# Altium PCB PCB_SDR.PcbDoc (part 4 of 6)
Units mil, origin at the board's own origin, x right, y up, seen from the top; angles counter-clockwise.
Board outline 4925.6 x 3220.01 mil, 8 copper layers (Top Layer, GND1, Signal 1, Power1, Power2, Signal 2, GND2, Bottom Layer), stack 62.84 mil thick; 406 components, 373 nets, 1642 pads, 1474 vias.
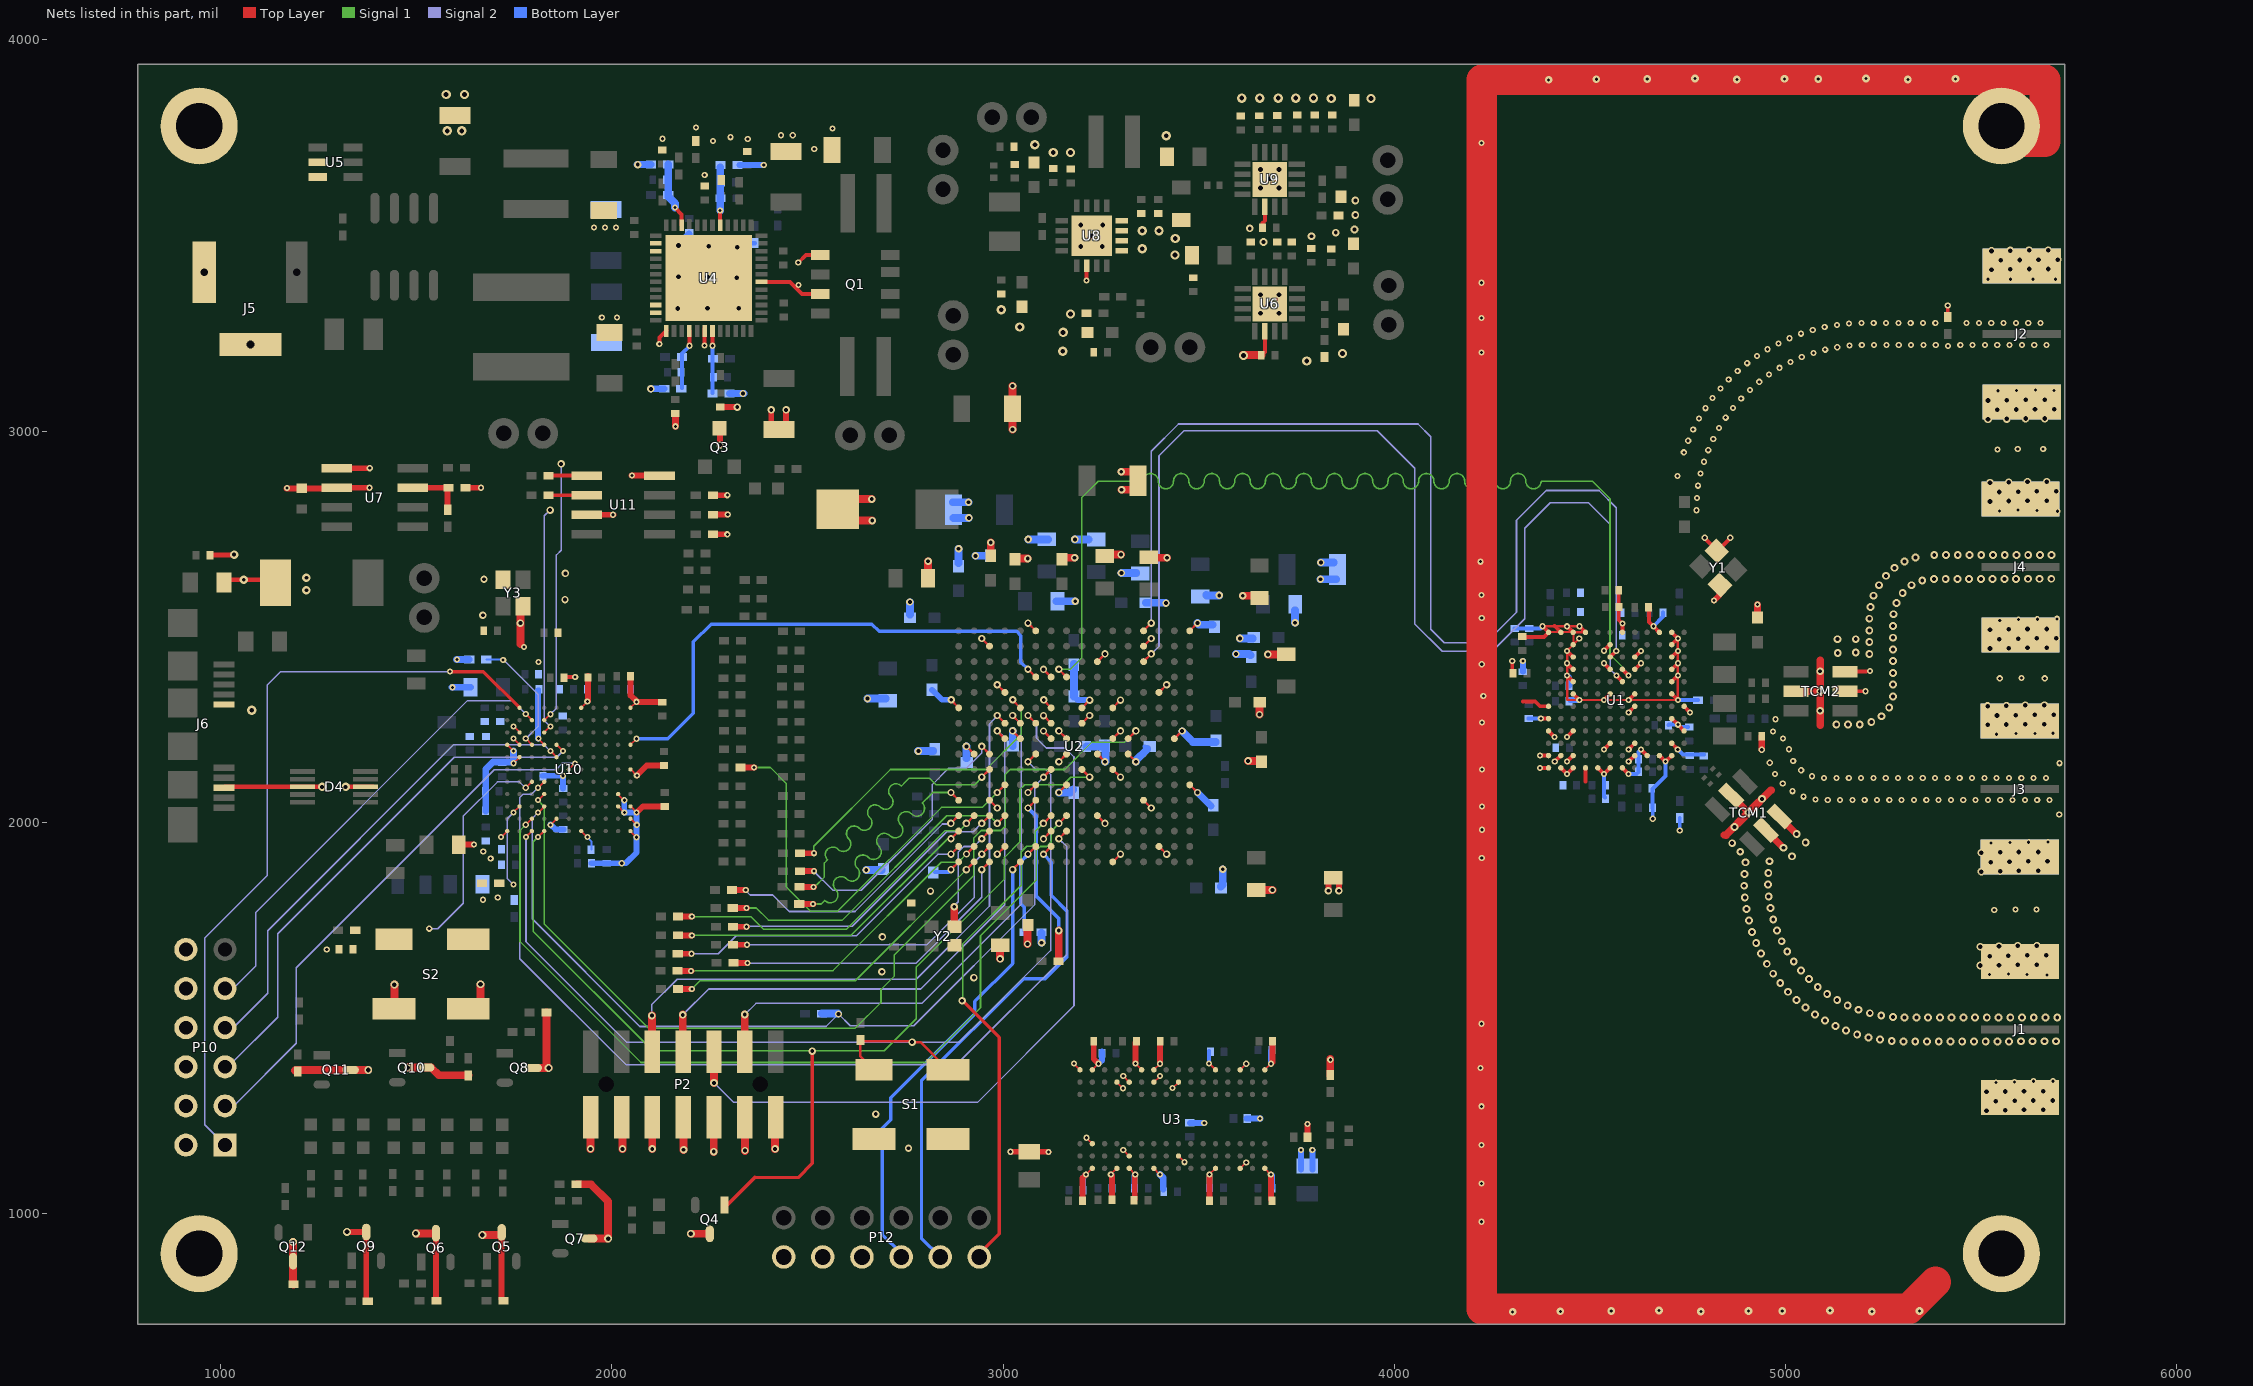
[diagram p10: the nets of this part, all layers, seen from the top]

## Via types
v1: diameter 15.75, hole 7.87, Top Layer to Bottom Layer, tented both sides, 559 vias
v2: diameter 18.9, hole 9.84, Top Layer to Bottom Layer, tented both sides, 368 vias
v3: diameter 20, hole 11.81, Top Layer to Bottom Layer, 129 vias
v4: diameter 15.75, hole 7.87, Top Layer to Bottom Layer, 126 vias
v5: diameter 20, hole 10, Top Layer to Bottom Layer, 124 vias
v6: diameter 24, hole 12, Top Layer to Bottom Layer, 105 vias
v7: diameter 19.68, hole 9.84, Top Layer to Bottom Layer, tented both sides, 22 vias
v8: diameter 19.68, hole 7.87, Top Layer to Bottom Layer, tented both sides, 20 vias
v9: diameter 20, hole 10, Top Layer to Bottom Layer, tented both sides, 14 vias
v10: diameter 21.65, hole 9.84, Top Layer to Bottom Layer, 6 vias
v11: diameter 21.65, hole 7.87, Top Layer to Bottom Layer, tented both sides, 1 vias

## Nets (pads, with @x,y where several pads share a name; then routed paths per layer and width w, separated by ;. In a path a pad name is that pad's centre, name@x,y a point inside that pad or via, vN(x,y) a via of type N, cw(c..) or ccw(c..) an arc to the next point about the centre after c; other vN are vias at no path point) (continued)
F_DQ18: R83.1 U2.P9 | length 726.1
  Top Layer w6: v2(2945.28,2194.09) U2.P9@2964.96,2174.41
  Top Layer w15: R83.1@2485,1875 v1(2516,1875) v1@2517,1875
  Signal 1 w4.15: v1(2516,1875) 2517,1875 v1@2518,1876
  Signal 2 w4.15: v1(2516,1875) 2565,1826 2637,1826 2819,2008 2819,2096.78 2860,2137.78 2905.78,2137.78 2945.28,2177.28 v2(2945.28,2194.09)
F_DQ19: R84.1 U2.M6 | length 824.7
  Top Layer w6: v2@3024.02,2312.2 U2.M6@3043.7,2292.52
  Top Layer w15: R84.1@2485,1921 v1(2516,1921) v1@2517,1921
  Signal 1 w4.15: v1(2516,1921) 2516,1939 2712,2135 2956,2135 3046,2225 3046,2289.96 3024.48,2311.48 v2(3024.48,2313)
  Signal 2 w4.15: v2@3023,2313 v2(3024.48,2313)
F_DQ20: R85.1 U2.T13 | length 699.9
  Top Layer w6: v2(2866.32,1997.32) U2.T13@2886,2017
  Top Layer w15: R85.1@2312,1827 v1(2342,1827) v1@2343,1827
  Signal 2 w4.15: v1(2342,1827) 2342,1825 2353,1814 2411,1814 2453,1772 2621,1772 2844.54,1995.54 v2@2866.54,1995.54
F_DQ21: R86.1 U2.P10 | length 793.4
  Top Layer w6: v2(2945.28,2115.35) U2.P10@2964.96,2135.04
  Top Layer w15: R86.1@2484,1835 v1(2515,1835) v1@2516,1835
  Signal 1 w4.15: v1(2515,1835) 2518,1835 2543,1860 2543,1896 2551,1904 cw(c2564.49,1917.49) 2577.97,1930.97 ccw(c2591.46,1944.46) 2604.95,1957.95 cw(c2618.44,1971.44) 2631.92,1984.92 ccw(c2645.41,1998.41) 2658.9,2011.9 cw(c2672.39,2025.39) 2685.87,2038.87 ccw(c2699.36,2052.36) 2712.85,2065.85 cw(c2726.34,2079.34) 2739.82,2092.82 2749,2102 2760,2113 2811,2113 2828,2096 2927,2096 v2@2945.28,2114.28
F_DQ22: R87.1 U2.T12 | length 730.5
  Top Layer w6: v2(2866.54,2075.98) U2.T12@2886.22,2056.3
  Top Layer w15: R87.1@2484,1791 v1(2514,1791) v1@2515,1791
  Signal 1 w4.15: v1(2514,1791) 2535,1791 2544,1800 ccw(c2557.84,1813.84) 2571.68,1827.68 cw(c2585.52,1841.52) 2599.36,1855.36 ccw(c2613.2,1869.2) 2627.05,1883.05 cw(c2640.89,1896.89) 2654.73,1910.73 ccw(c2668.57,1924.57) 2682.41,1938.41 cw(c2696.25,1952.25) 2710.09,1966.09 ccw(c2723.93,1979.93) 2737.77,1993.77 cw(c2751.61,2007.61) 2765.45,2021.45 ccw(c2779.3,2035.3) 2793.14,2049.14 2812,2068 2819.98,2075.98 v2(2866.54,2075.98)
F_DQ23: R88.1 U2.N13 | length 833.2
  Top Layer w6: v2(2984.65,1997.24) U2.N13@3004.33,2016.93
  Top Layer w15: R88.1@2312,1781 v1(2344,1781) v1@2345,1781
  Signal 1 w4.15: v1(2344,1781) 2369,1781 2400,1750 2589,1750 2856,2017 2964.89,2017 v2(2984.65,1997.24)
  Signal 2 w4.15: v2(2984.65,1997.24) v2@2984.76,1997.24
F_DQ24: R89.1 U2.P13 | length 774.2
  Top Layer w6: v2(2945.28,1997.24) U2.P13@2964.96,2016.93
  Top Layer w15: R89.1@2309.47,1733.22 2309.69,1733 v1(2344,1733) v1@2345,1733
  Signal 2 w4.15: v1(2344,1733) 2345,1734 2614,1734 2856,1976 2923,1976 2944.24,1997.24 v2(2945.28,1997.24)
F_DQ25: R90.1 U2.P16 | length 807.9
  Top Layer w6: v2(2945.28,1879.13) U2.P16@2964.96,1898.82
  Top Layer w15: R90.1@2306.76,1640 v1(2346,1640) v1@2347,1640
  Signal 2 w4.15: v1(2346,1640) 2777,1640 2945.28,1808.28 v2(2945.28,1879.13)
F_DQ26: R91.1 U2.P15 | length 812.7
  Top Layer w6: v2(2945.28,1918.5) U2.P15@2964.96,1938.19
  Top Layer w15: R91.1@2309.76,1687 v1(2345,1687)
  Signal 2 w4.15: v1(2345,1687) 2805,1687 2926,1808 2926,1898 2945.28,1917.28 v2(2945.28,1918.5)
F_DQ27: R92.1 U2.T14 | length 830.6
  Top Layer w6: v2(2866.54,1957.88) U2.T14@2886.22,1977.56
  Top Layer w15: R92.1@2167,1711 v1(2204,1711) v1@2205,1711
  Signal 1 w4.15: v1(2204,1711) 2611,1711 2857.88,1957.88 v2(2866.54,1957.88)
F_DQ28: R93.1 U2.R13 | length 890
  Top Layer w6: v2(2905.91,1997.24) U2.R13@2925.59,2016.93
  Top Layer w15: R93.1@2169.47,1759.22 2169.69,1759 v1(2204,1759) v1@2205,1759
  Signal 1 w4.15: v1(2204,1759) 2355,1759 2387,1727 2600,1727 2851,1978 2888,1978 v2@2905.91,1995.91
F_DQ29: R94.1 U2.R16 | length 894.1
  Top Layer w6: v2(2905.91,1879.13) U2.R16@2925.59,1898.82
  Top Layer w15: R94.1@2167,1574 v1(2204,1574) v1@2205,1574
  Signal 1 w4.15: v1(2204,1574) 2225,1595 2621.77,1595 v2(2905.91,1879.13)
F_DQ30: R95.1 U2.T15 | length 831.4
  Top Layer w6: v2(2866.54,1918.5) U2.T15@2886.22,1938.19
  Top Layer w15: R95.1@2168.47,1664.22 2168.69,1664 v1(2203,1664)
  Signal 2 w4.15: v1(2203,1664) 2272,1664 2318,1710 2625,1710 2833.5,1918.5 v2(2866.54,1918.5)
F_DQ31: R96.1 U2.R15 | length 891.4
  Top Layer w6: v2(2906.13,1918.8) U2.R15@2925.59,1938.19 U2.R15@2925.81,1938.49
  Top Layer w15: R96.1@2167.47,1620.22 2167.69,1620 v1(2202,1620) v1@2203,1620
  Signal 1 w4.15: v1(2202,1620) 2203,1621 2565,1621 2841.68,1897.68 2885,1897.68 v2(2906.13,1918.8)
F_FB_CLK: U1.F10 U2.D1 | length 2910.6
  Top Layer w6: U2.D1@3358.66,2489.37 v2(3378.35,2509.06)
  Top Layer w10: U1.F10@4551.18,2422.44 v1(4566.73,2437.99)
  Signal 1 w4.15: v2(3378.35,2509.06) v2@3378.35,2510.35
  Signal 2 w4.15: v2(3378.35,2509.06) 3378.35,2948.35 3448,3018 4060,3018 4093,2985 4093,2493 4127,2459 4234,2459 4311.85,2536.85 4311.85,2772 4387.85,2848 4522.85,2848 4566.73,2804.12 v1(4566.73,2437.99)
F_INT_CTL: U2.L4 U10.L8 | length 1369.2
  Top Layer w5: U10.L8@2047.24,2198.03 v1(2062.99,2213.39)
  Top Layer w6: v2(3063.39,2390.95) U2.L4@3083.07,2371.26
  Signal 1 w4.15: v2@3063.39,2390.39 v2(3063.39,2390.95) v2@3063.39,2392.39
  Signal 2 w4.15: v2@3061.95,2390.95 v2(3063.39,2390.95)
  Bottom Layer w8.6: v1(2062.99,2213.39) 2142.39,2213.39 2208,2279 2208,2461 2253.46,2506.46 2664.46,2506.46 2682.93,2488 3034,2488 3045,2477 3045,2409.33 v2(3063.39,2390.95)
F_PCLK: R61.1 U2.N11 | length 1122.2
  Top Layer w6: v2(2984.65,2075.98) U2.N11@3004.33,2095.67
  Top Layer w15: R61.1@2328,2140 v1(2363,2140) v1@2364,2140
  Signal 1 w4.15: v1(2363,2140) 2405,2140 2445,2100 2445,1835 2507,1773 2577,1773 2842,2038 2946.66,2038 v2(2984.65,2075.98)
  Signal 2 w4.15: v2@2982.02,2075.98 v2(2984.65,2075.98) v2@2984.65,2074.65
F_RX_FRAME: U1.G8 U2.D3 | length 2921
  Top Layer w6: U2.D3@3358.66,2410.63 v2(3378.35,2430.32)
  Top Layer w10: v1@4566.93,2375.19 v1(4567.13,2375) U1.G8@4582.68,2359.45
  Signal 2 w4.15: v2(3378.35,2430.32) 3398,2449.97 3398,2937 3462,3001 3956,3001 4052,2905 4052,2507 4122,2437 4250,2437 4332.85,2519.85 4332.85,2751.85 4398,2817 4496,2817 4551,2762 4551,2391.85 4567.13,2375.72 v1(4567.13,2375)
F_TX_FRAME: U1.G9 U2.J4 | length 2971.1
  Top Layer w6: v2(3142.13,2390.95) U2.J4@3161.81,2371.26
  Top Layer w10: U1.G9@4582.68,2390.94 v1(4598.23,2375.39) v1@4598.42,2375.2
  Signal 1 w4.15: v2(3142.13,2390.95) 3171.95,2390.95 3201,2420 3201,2830 3243,2872 3357,2872 cw(c3376.57,2872) 3396.15,2872 ccw(c3415.72,2872) 3435.3,2872 cw(c3454.87,2872) 3474.44,2872 ccw(c3494.02,2872) 3513.59,2872 cw(c3533.17,2872) 3552.74,2872 ccw(c3572.31,2872) 3591.89,2872 cw(c3611.46,2872) 3631.04,2872 ccw(c3650.61,2872) 3670.18,2872 cw(c3689.76,2872) 3709.33,2872 ccw(c3728.91,2872) 3748.48,2872 cw(c3768.05,2872) 3787.63,2872 ccw(c3807.2,2872) 3826.78,2872 cw(c3846.35,2872) 3865.92,2872 ccw(c3885.5,2872) 3905.07,2872 cw(c3924.65,2872) 3944.22,2872 ccw(c3963.79,2872) 3983.37,2872 cw(c4002.94,2872) 4022.52,2872 ccw(c4042.09,2872) 4061.66,2872 cw(c4081.24,2872) 4100.81,2872 ccw(c4120.39,2872) 4139.96,2872 cw(c4159.53,2872) 4179.11,2872 ccw(c4198.68,2872) 4218.26,2872 cw(c4237.83,2872) 4257.4,2872 ccw(c4276.98,2872) 4296.55,2872 cw(c4316.13,2872) 4335.7,2872 ccw(c4355.27,2872) 4374.85,2872 4401,2872 4505.85,2872 4550.85,2827 4550.85,2429 4598.23,2381.62 v1(4598.23,2375.39) v1@4598.23,2373.38
FB1: C65.1 R17.1 R18.2 U4.41 | length 148.3
  Top Layer w10: U4.41@2276.57,3526.09 v1(2276.57,3563.57)
  Bottom Layer w20: v1(2276.57,3563.57) R18.2@2276.57,3674.34
FB2: C72.1 R21.1 R23.2 U4.19 | length 157.5
  Top Layer w10: v1@2256.89,3220 U4.19@2256.89,3255.8
  Bottom Layer w10: R23.2@2257.24,3097 v1@2257.24,3218.65
  other v1: 2257,3218
FB3: C82.1 R27.1 R28.2 U4.46 | length 168.9
  Top Layer w10: v1(2161,3571) 2178.15,3553.85 U4.46@2178.15,3526.09
  Bottom Layer w20: R28.2@2143.76,3681 R27.1@2143.76,3603 2143.76,3599.24 2161.43,3581.57 v1@2161.43,3571.43
FB4: C85.1 R31.1 R32.2 U4.16 | length 157.3
  Top Layer w10: v1@2197.83,3216 U4.16@2197.83,3255.8
  Bottom Layer w10: R32.2@2178.76,3109.88 R31.1@2178.76,3189 2178.76,3197.76 2199,3218 v1@2200,3218
  other v1: 2198,3218
FB_USB: R37.1 R39.2 U7.7 | length 148.4
  Top Layer w15: U7.7@1491,2855 R39.2@1582.24,2855 1580,2852.76 R37.1@1580,2798.76
FCS_B: R12.1 U2.L12 | length 451
  Top Layer w6: v2(3063.39,2036.61) U2.L12@3083.07,2056.3
  Top Layer w20: R12.1@3142,1646 v2(3142,1723)
  Bottom Layer w9.28: v2(3063.39,2036.61) 3084,2016 3084,1812 3142,1754 v2(3142,1723)
FPGA_CCLK: U2.E8 U10.D4 | length 2493.7
  Top Layer w5: v1(1811.02,2056.69) U10.D4@1826.77,2072.05
  Top Layer w6: U2.E8@3319.29,2213.78 v2(3338.98,2233.46)
  Signal 1 w4.15: v1@1811.02,2055.98 1827,2040 1827,1740 2093,1474 2622,1474 2687.5,1539.5 2687.5,1572.5 2721,1606 2721,1660 2925,1864 2925,1960 2944,1979 2994,1979 3005,1990 3005,2122 3018,2135 3157,2135 3227,2205 3310.51,2205 v2(3338.98,2233.46)
FPGA_CLK_100MHZ: U2.P14 Y2.3 | length 295.3
  Top Layer w6: v2(2945.28,1957.87) U2.P14@2964.96,1977.56
  Top Layer w20: Y2.3@2875,1735 v2(2875,1784)
  Signal 2 w4.15: v2(2875,1784) 2875,1787 2885,1797 2885,1924 2899,1938 2925.4,1938 v2(2945.28,1957.87)
FPGA_DONE: Q4.1 U2.H10 U10.D1 | length 2878.1
  Top Layer w5: v1(1811.25,1962.68) 1826.65,1977.69 U10.D1@1827,1978.03
  Top Layer w6: U2.H10@3201.18,2135.04 v2(3220.87,2115.35)
  Top Layer w8.6: 2365,1092 2476,1092 2512,1128 v2(2512,1415)
  Top Layer w9.28: Q4.1@2287.4,1021.81 2294.81,1021.81 2365,1092
  Signal 1 w4.15: v1(1811.25,1962.68) 1799,1950.42 1799,1721 2104,1416 2696,1416 2778,1498 2778,1630 3003,1855 3003,1910 3043,1950 3043,2084 3055,2096 3153,2096 3172.35,2115.35 v2(3220.87,2115.35)
FPGA_JTAG_TCK: P2.6 U2.L7 | length 1975.4
  Top Layer w6: v2(3063.39,2272.83) U2.L7@3083.07,2253.15
  Top Layer w20: P2.6@2260.74,1417 P2.6@2260.74,1413.66 2261,1413.4 v7(2261,1334)
  Signal 1 w4.15: v2@3063.39,2272.61 v2(3063.39,2272.83) v2@3063.39,2275.39
  Signal 2 w4.15: v7(2261,1334) 2311,1284 2934,1284 3181,1531 3181,2167 3158,2190 3110,2190 3085,2215 3085,2251.22 v2(3063.39,2272.83)
FPGA_JTAG_TDI: P2.10 U2.N7 | length 1615
  Top Layer w6: v2(2984.65,2272.83) U2.N7@3004.33,2253.15
  Top Layer w20: P2.10@2102,1411 v7(2102,1505.86) v7@2102,1506.86
  Signal 2 w4.15: v7(2102,1505.86) 2102,1534 2167,1599 2778,1599 2965,1786 2965,2252 2984.65,2271.65 v2(2984.65,2272.83) v2@2984.65,2273.65
FPGA_JTAG_TDO: P2.8 U2.N8 | length 1516.7
  Top Layer w6: v2@2983.31,2233.83 2984.17,2232.98 U2.N8@3003,2214.15
  Top Layer w20: P2.8@2181,1413 v7(2181,1507.86) v7@2181,1508.86
  Signal 2 w4.15: v7(2181,1507.86) 2247.14,1574 2789,1574 3004,1789 3004,2216 2986.54,2233.46 v2(2984.65,2233.46)
FPGA_JTAG_TMS: P2.4 U2.M7 | length 1439
  Top Layer w6: v2(3024.02,2272.83) U2.M7@3043.7,2253.15
  Top Layer w20: P2.4@2339.48,1413.66 v7(2339.48,1508.52) v7@2339.48,1509.52
  Signal 1 w4.15: v2(3024.02,2272.83) v2@3024.83,2272.83
  Signal 2 w4.15: v7(2339.48,1508.52) 2367.96,1537 2792,1537 3046,1791 3046,2250.85 v2(3024.02,2272.83)
FPGA_PROGRA_B: R9.1 S1.1 S1.2 U2.L9 U10.C1 | length 2727.7
  Top Layer w5: v1(1780.25,1962.68) 1795.39,1977.44 U10.C1@1796,1978.03
  Top Layer w6: v2(3063.39,2154.72) U2.L9@3083.07,2174.41
  Top Layer w6.42: S1.2@2669.22,1367.58 2635,1401.8 R9.1@2635,1443.24 2638.24,1440 2765,1440 v2(2767,1438) 2788.36,1438 S1.1@2858.78,1367.58
  Signal 2 w4.15: v1(1780.25,1962.68) 1780.25,1694.75 2037,1438 v2(2767,1438) 2886.73,1438 3121,1672.27 3121,2122 3107,2136 3082.11,2136 v2(3063.39,2154.72)
FPGA_PUDC_B: R10.1 U2.L15 | length 235.7
  Top Layer w6: v2(3063.39,1918.5) U2.L15@3083.07,1938.19
  Bottom Layer w5.91: v2@3063.39,1917.39 v2(3063.39,1918.5)
  Bottom Layer w9.28: R10.1@3054,1722 3054,1783 3045,1792 3045,1899 v2@3063.39,1917.39
FPGA_SPI_MISO: U2.J14 U10.D5 | length 2451.5
  Top Layer w5: v1(1811.02,2088.19) U10.D5@1826.77,2103.54
  Top Layer w6: v2(3142.13,1957.87) U2.J14@3161.81,1977.56
  Signal 1 w4.15: v2(3142.13,1957.87) v2@3144.13,1957.87
  Signal 2 w4.15: v1(1811.02,2088.19) 1794.95,2072.12 1773.12,2072.12 1764.44,2063.44 1764.44,1651.56 2036,1380 2880,1380 3162,1662 3162,1938 v2(3142.13,1957.87)
FPGA_SPI_MOSI: U2.J13 U10.C2 | length 2281.1
  Top Layer w5: v1(1779.53,1993.7) U10.C2@1795.28,2009.06
  Top Layer w6: v2(3142.13,1997.24) U2.J13@3161.81,2016.93
  Signal 1 w4.15: v1(1779.53,1993.7) 1764.93,1979.1 1764.93,1695.07 2074,1386 2802,1386 2942,1526 2942,1710 3084,1852 3084,1927 3095,1938 3111,1938 3123,1950 3123,1977 3142.13,1996.13 v2(3142.13,1997.24)
FX3_GPIO52: R11.1 U2.K10 U10.D3 | length 2257.8
  Top Layer w5: v1(1811.02,2024.8) U10.D3@1826.77,2040.16
  Top Layer w6: v2@3102.76,2115.35 U2.K10@3122.44,2135.04
  Signal 2 w4.15: v1(1811.02,2024.8) 1795.94,2009.72 1795.94,1753.06 2071,1478 2547,1478 v2(2579,1510) 2609,1480 2771,1480 3081,1790 3081,2093.11 v2(3103,2115.11)
  Bottom Layer w6.42: v2@2578,1511 v2(2579,1510)
  Bottom Layer w20: R11.1@2536.76,1511 v2@2578,1511
FX3_I2C_SCL: R71.1 U10.D9 U11.6 | length 685.4
  Top Layer w5: U10.D9@1827.17,2229.53 1826.97,2229.72 v1(1842.52,2244.88) ; R71.1@1837.76,2836 R71.1@1837.84,2835.93
  Top Layer w10: R71.1@1837.84,2835.93 U11.6@1935.48,2835.93
  Signal 2 w4.15: v2(1842,2798) 1827.15,2783.15 1827.15,2260.26 v1(1842.52,2244.88)
FX3_I2C_SDA: R72.1 U10.D10 U11.5 | length 771.1
  Top Layer w5: U10.D10@1826.97,2261.22 U10.D10@1827.17,2261.02 ; U10.D10@1827,2261 1827.1,2261.09 v1(1842.55,2276.16) ; R72.1@1837.65,2885.73 R72.1@1837.84,2885.93
  Top Layer w10: R72.1@1837.84,2885.93 U11.5@1935.48,2885.93
  Signal 2 w4.15: v1(1842.55,2276.16) 1858,2291.61 1858,2683 1870,2695 v2(1870,2916)
FX3_JTAG_TCK: P10.3 U10.F6 | length 1373
  Top Layer w5: U10.F6@1889.76,2135.04 v1(1905.51,2150.39)
  Signal 2 w4.15: P10.3@1026,1275 P10.3@1028,1277 ; P10.3@1033,1275 1193,1435 1193,1628 1699.41,2134.41 1856.41,2134.41 1872.39,2150.39 v1(1905.51,2150.39)
FX3_JTAG_TDI: P10.7 U10.E7 | length 1237.4
  Top Layer w5: v1(1842.91,2182.28) U10.E7@1858.27,2166.54
  Signal 2 w4.15: P10.7@1026,1475 1032,1475 1120,1563 1120,1723 1595,2198 1826,2198 v1@1841.72,2182.28
FX3_JTAG_TDO: P10.9 U10.C10 | length 1173.3
  Top Layer w5: v1@1780.32,2276.77 1795.48,2261.22 U10.C10@1795.67,2261.02
  Signal 2 w4.15: P10.9@1026,1575 1032,1575 1090,1633 1090,1770 1631,2311 1745,2311 1776.23,2279.77 v1@1776.23,2276.77
  other v1: 1779.53,2276.77
FX3_JTAG_TMS: P10.5 U10.E8 | length 1333.5
  Top Layer w5: U10.E8@1858.66,2198.03 v1@1874.02,2182.28
  Signal 2 w4.15: P10.5@1026,1375 1026,1382 1146,1502 1146,1715 1597.21,2166.21 1859.21,2166.21 v1@1874.54,2181.54
  other v1: 1874.54,2182.53
FX3_JTAG_TRST_N: P10.1 U10.B11 | length 1961
  Top Layer w8.6: v1(1586,2385) 1671.3,2385 U10.B11@1763.78,2292.52
  Signal 2 w4.15: P10.1@1011,1175 959,1227 959,1704 1119,1864 1119,2351 1153,2385 v1(1586,2385)
FX3_R_USB2: R98.2 U10.C8 | length 318.5
  Top Layer w5: v1@1780.32,2213.78 1795.48,2198.23 U10.C8@1795.67,2198.03
  Signal 2 w4.15: v1@1721.5,2414.5 1723.5,2414.5 1812,2326 1812,2246.25 v1(1779.53,2213.78)
  Bottom Layer w5: R98.2@1678.76,2416 1721,2416 v1(1722,2415)
FX3_R_USB3: R99.2 U10.B3 | length 217.7
  Top Layer w5: v1(1748.03,2025.2) U10.B3@1763.78,2040.55
  Signal 2 w4.15: v1(1748,1841) 1732.66,1856.34 1732.66,2008.66 v1@1748.03,2024.03
FX3_RESET: C172.2 R80.2 S2.1 S2.2 U10.C5 | length 560.6
  Top Layer w5: v1(1779.53,2088.19) U10.C5@1795.28,2103.54
  Signal 2 w4.15: v1@1534.5,1725.5 1537,1728 1555,1728 1620,1793 1620,2016 1707.17,2103.17 1763.83,2103.17 v1@1779.53,2087.47
  other v1: 1533,1728
GND: C1.2 C2.2 C3.2 C4.2 C11.1 C12.2 C13.2 C14.2 C15.2 C16.2 C17.2 C18.2 C19.2 C20.2 C21.2 C22.2 C23.2 C24.2 C25.2 C26.2 C27.2 C28.2 C29.2 C30.2 C31.2 C32.2 C33.2 C34.2 C35.2 C36.2 C37.2 C38.2 C39.2 C40.2 C41.2 C42.2 C43.2 C44.2 C45.2 C46.2 C47.2 C48.2 C49.2 C50.2 C51.2 C52.2 C53.2 C54.2 C55.2 C56.2 C57.2 C58.2 C59.2 C61.2 C62.2 C63.1 C66.1 C67.2 C68.1 C69.2 C71.2 C73.2 C74.1 C75.1 C77.1 C78.1 C79.1 C80.1 C81.2 C83.1 C86.1 C87.1 C88.1 C89.2 C90.1 C91.1 C92.1 C93.1 C94.1 C95.1 C96.1 C97.1 C98.1 C99.1 C100.1 C101.1 C102.1 C103.1 C104.1 C105.1 C106.1 C107.1 C108.2 C109.2 C110.1 C111.1 C112.1 C113.1 C114.1 C115.1 C116.2 C117.1 C118.1 C119.1 C120.1 C121.1 C122.1 C123.1 C124.1 C125.1 C126.1 C127.1 C128.1 C129.2 C130.1 C131.1 C132.1 C133.1 C134.1 C135.1 C136.1 C137.1 C138.1 C139.1 C140.1 C141.1 C142.1 C143.1 C144.2 C145.2 C146.1 C147.1 C148.1 C149.1 C150.1 C151.1 C152.1 C153.1 C154.2 C155.1 C156.1 C157.1 C158.1 C159.1 C160.1 C161.1 C162.1 C163.1 C164.1 C165.1 C166.1 C167.1 C168.1 C169.2 C170.1 C171.2 C172.1 C173.1 C174.2 C175.1 C176.1 C179.1 C180.2 C181.2 C182.2 C186.2 C187.2 C188.2 C189.2 C190.2 C193.2 C194.2 C195.2 C196.2 C200.2 C201.2 C202.2 C203.2 C204.2 C205.2 C206.2 C207.2 D4.3 D4.8 J1.2 J1.3 J1.4 J1.5 J2.2 J2.3 J2.4 J2.5 J3.2 J3.3 J3.4 J3.5 J4.2 J4.3 J4.4 J4.5 J5.2 J5.3 J6.5 J6.8 L14.2 P2.1 P2.3 P2.5 P2.7 P2.9 P2.11 P2.13 P10.2 P10.4 P10.6 P10.8 P10.10 P10.12 P12.1 P12.2 P12.3 pad.MH0 pad.MH1 pad.MH2 pad.MH3 Q1.1 Q1.3 Q3.3 Q4.3 Q5.3 Q6.3 Q7.3 Q8.3 Q9.3 Q10.3 Q11.3 Q12.3 R2.1 R5.1 R7.1 R10.2 R18.1 R23.1 R26.2 R28.1 R32.1 R33.2 R36.2 R39.1 R41.2 R43.2 R49.2 R67.1 R68.1 R70.1 R98.1 R99.1 R100.2 R101.2 R103.2 R105.2 R115.1 R122.2 R123.2 R124.2 R125.2 R126.2 R127.2 R128.2 R129.2 S1.3 S1.4 S2.3 S2.4 TCM1.1 TCM1.2 TCM1.5 TCM2.1 TCM2.2 TCM2.5 U1.A1 U1.A2 U1.A4 U1.A5 U1.A6 U1.A12 U1.B1 U1.B2 U1.B12 U1.C1 U1.C2 U1.C4 U1.C7 U1.C8 U1.C9 U1.C10 U1.C11 U1.C12 U1.D1 U1.D12 U1.E1 U1.F1 U1.F3 U1.F7 U1.F9 U1.F11 U1.G1 U1.G12 U1.H2 U1.H3 U1.H6 U1.H7 U1.H9 U1.H10 U1.J2 U1.K2 U1.K12 U1.L2 U1.L3 U1.L5 U1.L7 U1.L8 U1.L9 U1.L10 U1.L11 U1.L12 U1.M4 U1.M6 U2.A1 U2.A11 U2.B8 U2.C5 U2.C15 U2.D2 U2.D12 U2.E9 U2.F6 U2.F8 U2.F10 U2.F16 U2.G3 U2.G9 U2.G13 U2.H6 U2.H7 U2.J8 U2.J9 U2.J11 U2.K4 U2.K6 U2.K7 U2.K8 U2.K14 U2.L1 U2.L11 U2.M8 U2.N5 U2.N15 U2.P2 U2.P12 U2.R9 U2.T6 U2.T16 U3.A9 U3.B1 U3.B3 U3.B9 U3.D1 U3.D8 U3.E1 U3.E2 U3.E8 U3.F9 U3.G1 U3.G8 U3.G9 U3.J2 U3.J8 U3.M1 U3.M9 U3.P1 U3.P9 U3.T1 U3.T9 U4.2 U4.3 U4.10 U4.11 U4.13 U4.18 U4.30 U4.49 U5.2 U5.3 U6.6 U6.17 U7.1 U7.2 U8.2 U8.5 U8.6 U8.7 U8.8 U8.17 U9.6 U9.17 U10.A1 U10.A8 U10.B7 U10.B8 U10.B9 U10.D8 U10.E2 U10.G1 U10.G11 U10.K3 U10.K4 U10.L1 U10.L2 U10.L3 U10.L6 U10.L11 U11.4 U11.7 Y1.2 Y1.4 Y2.2 Y3.2 Y3.4 | length 21106.9
  Top Layer w5: v1(1716.54,1962.21) U10.A1@1732.28,1977.56 ; U10.A8@1732.68,2198.03 v1@1748.03,2182.28 ; v1(1748,2245) 1748.7,2245 U10.B9@1764.17,2229.53 ; v1(1748.03,2150.79) U10.B7@1763.78,2166.54 ; v1@1748.82,2213.78 1763.98,2198.23 U10.B8@1764.17,2198.03 ; v1(1811.81,2213.78) 1826.97,2198.23 U10.D8@1827.17,2198.03 ; v1@1842.92,1993.7 1843.24,1994.02 1858.46,2008.86 U10.E2@1858.66,2009.05 ; U10.G11@1921.26,2292.52 v1(1937.01,2308.27) v1@1938.28,2309.54 ; U10.G1@1921.65,1977.46 v1@1937.01,1961.71 ; U10.K4@2015,2072 2015.34,2071.65 v1@2030.35,2056.25 ; U10.K3@2016.14,2040.55 v1(2031.5,2024.8) ; U10.L1@2046.65,1977.46 2046.89,1977.22 v1@2062.01,1961.71 ; U10.L11@2047.24,2292.52 v1(2062.99,2307.87) ; U10.L2@2047.64,2009.05 v1@2062.99,1993.31 ; U10.L3@2047.64,2040.45 v1@2062.94,2024.75 ; U10.L6@2047.64,2135.04 v1@2062.99,2119.29 ; C158.1@2126.84,2307.87 C158.1@2128,2306.72 ; v1@3180.77,1383.14 3180.82,1383.09 U3.A9@3196.13,1367.39 ; v1@3211.93,1100.12 U3.B1@3227.62,1115.43 ; v1@3212.65,1193.75 3212.7,1193.7 U3.B3@3227.62,1178.42 U3.B3@3228,1178 ; U3.B9@3227.62,1367.39 v1(3243.27,1382.75) ; v1@3274.87,1100.07 3274.92,1100.12 U3.D1@3290.61,1115.43 ; U3.D8@3290.61,1335.9 3290.72,1335.79 3305.92,1320.2 v1@3305.97,1320.15 ; v1@3306.76,1162.67 v1(3306.76,1162.57) U3.E2@3322.11,1146.92 ; v1@3306.76,1351.65 3306.81,1351.59 3322,1336.01 U3.E8@3322.11,1335.9 ; U3.E1@3322.11,1115.43 3337.41,1099.73 v1@3337.46,1099.68 ; C189.2@3334.28,1034 C189.2@3336,1035.72 ; v1(3338.25,1383.04) 3338.25,1383.14 3338.3,1383.09 U3.F9@3353.61,1367.39 ; C203.2@3338.25,1437.54 C203.2@3340.72,1440 ; U3.G1@3385.1,1115.43 3400.4,1099.73 v1@3400.46,1099.68 ; U3.G8@3385.1,1335.9 3400.8,1351.2 v1@3400.85,1351.25 ; U3.G9@3385.1,1367.39 3400.8,1382.7 v1@3400.85,1382.75 ; v1@3432.4,1320.6 U3.J8@3448.09,1335.9 ; U3.J2@3448.09,1146.92 3463.4,1131.23 v1@3463.45,1131.17 ; v1@3526.83,1100.07 v1(3526.94,1100.07) U3.M1@3542.58,1115.43 ; C188.2@3526.94,1033.35 C188.2@3527.28,1033 ; v1@3527.23,1383.14 U3.M9@3542.58,1367.39 ; U3.P1@3605.57,1115.43 3621.27,1130.73 v1@3621.32,1130.78 ; U3.P9@3605.57,1367.39 3621.27,1382.7 v1@3621.32,1382.75 ; U3.T1@3668.57,1115.43 3683.87,1099.73 v1@3683.92,1099.68 ; U3.T9@3668.57,1367.39 3684.26,1382.7 v1@3684.31,1382.75 ; C201.2@3688,1436.28 C201.2@3691.72,1440 ; v1(3777.72,1228.72) v1@3778,1229